# KiCad board EnvChocTKL.kicad_pcb
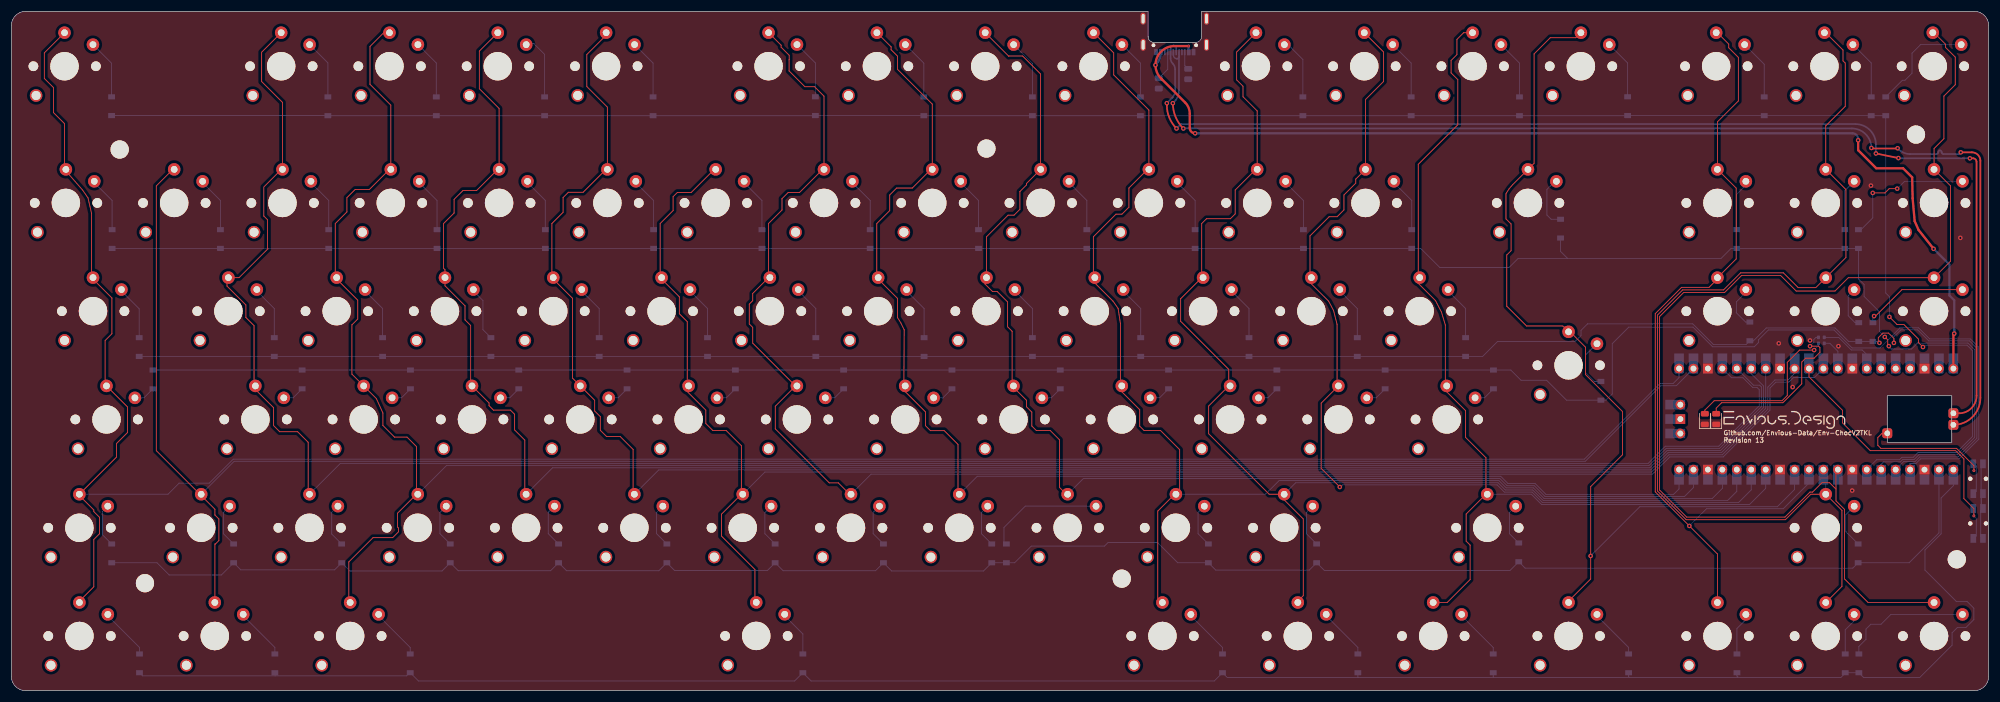
[diagram p0: board, top side]
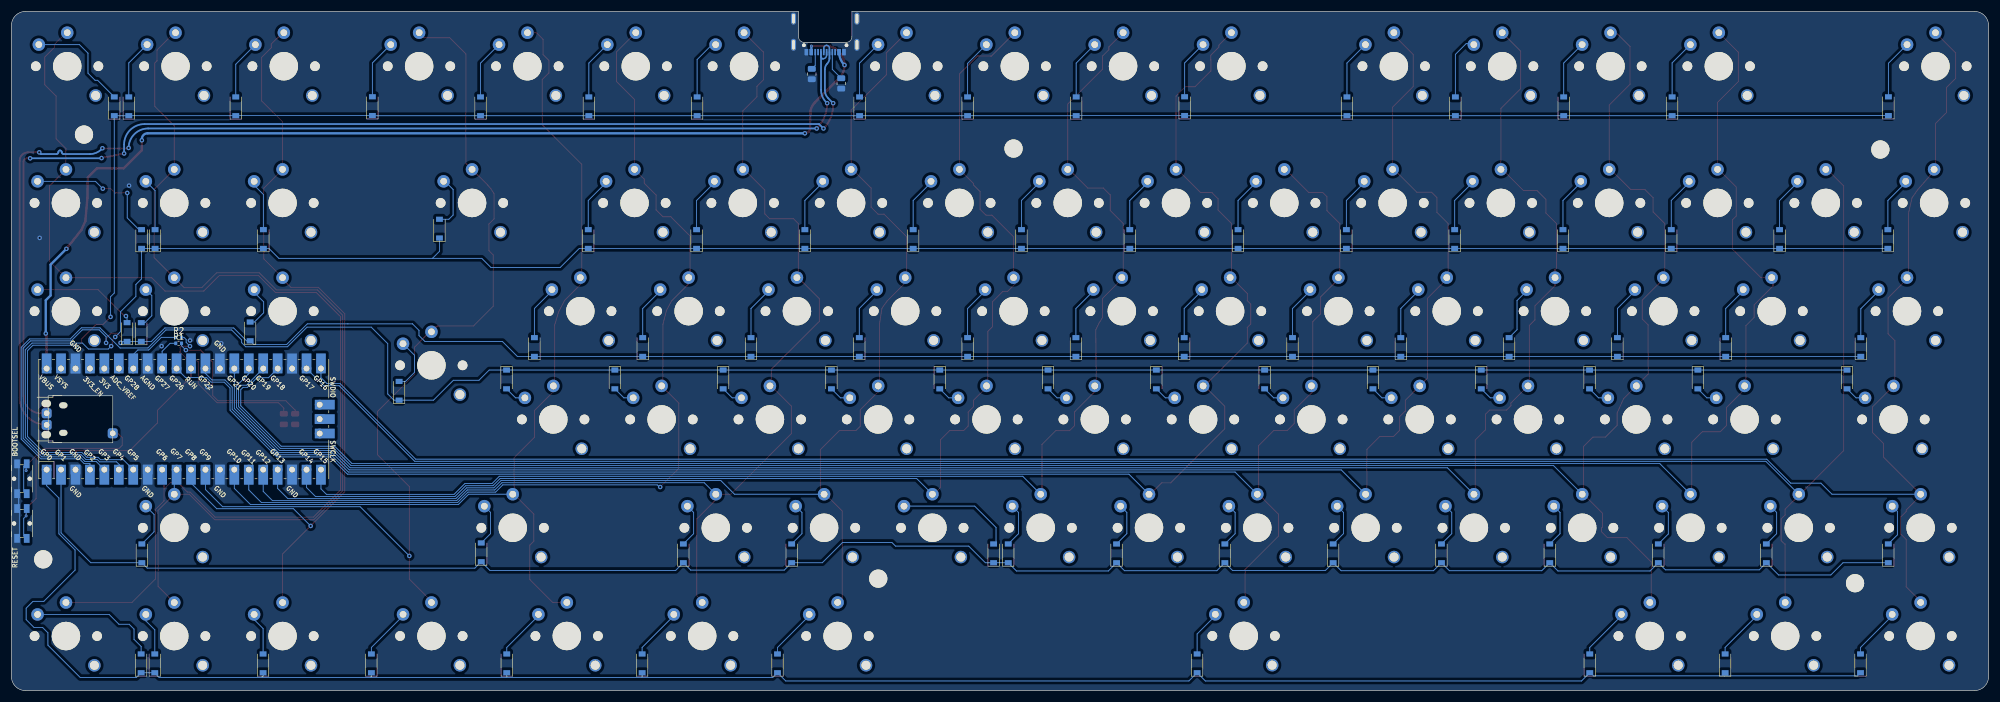
[diagram p1: board, bottom side, seen from below]

Outline 347.8 x 119.5 mm; copper layers: Top, Bottom. Coordinates in mm from the lower left corner of the outline.
Outline path: rectangle 329.96,51.88 341.33,43.6 ; 199.95,119.5 2.5,119.5 arc(0.73,118.77) 0,117 0,2.5 arc(0.73,0.73) 2.5,0 345.3,0 arc(347.07,0.73) 347.8,2.5 347.8,117 arc(347.07,118.77) 345.3,119.5 209.35,119.5
Stack: Top 0.035mm / dielectric 1.51mm FR4 er 4.5 / Bottom 0.035mm

## Placement (name value [footprint] x y rotation side)
D1  0805 LED  [LED_0805_2012Metric]  297.88 47.78 90 top
D2  0805 LED  [LED_0805_2012Metric]  299.88 47.78 90 top
D_0  1N4148W  [D_SOD-123]  17.63 102.82 90 bottom
D_1  1N4148W  [D_SOD-123]  55.67 102.8 90 bottom
D_2  1N4148W  [D_SOD-123]  74.75 102.8 90 bottom
D_3  1N4148W  [D_SOD-123]  93.8 102.8 90 bottom
D_4  1N4148W  [D_SOD-123]  112.87 102.8 90 bottom
D_5  1N4148W  [D_SOD-123]  141.42 102.82 90 bottom
D_6  1N4148W  [D_SOD-123]  160.5 102.8 90 bottom
D_7  1N4148W  [D_SOD-123]  179.6 102.8 90 bottom
D_8  1N4148W  [D_SOD-123]  198.6 102.8 90 bottom
D_9  1N4148W  [D_SOD-123]  227.17 102.8 90 bottom
D_10  1N4148W  [D_SOD-123]  246.22 102.8 90 bottom
D_11  1N4148W  [D_SOD-123]  265.27 102.8 90 bottom
D_12  1N4148W  [D_SOD-123]  284.3 102.82 90 bottom
D_13  1N4148W  [D_SOD-123]  308.33 102.8 90 bottom
D_14  1N4148W  [D_SOD-123]  327.15 102.8 90 bottom
D_15  1N4148W  [D_SOD-123]  329.7 102.8 90 bottom
D_16  1N4148W  [D_SOD-123]  17.72 79.45 90 bottom
D_17  1N4148W  [D_SOD-123]  36.77 79.45 90 bottom
D_18  1N4148W  [D_SOD-123]  55.82 79.45 90 bottom
D_19  1N4148W  [D_SOD-123]  74.87 79.45 90 bottom
D_20  1N4148W  [D_SOD-123]  93.92 79.45 90 bottom
D_21  1N4148W  [D_SOD-123]  112.97 79.45 90 bottom
D_22  1N4148W  [D_SOD-123]  132.02 79.45 90 bottom
D_23  1N4148W  [D_SOD-123]  151.07 79.45 90 bottom
D_24  1N4148W  [D_SOD-123]  170.12 79.45 90 bottom
D_25  1N4148W  [D_SOD-123]  189.17 79.45 90 bottom
D_26  1N4148W  [D_SOD-123]  208.22 79.45 90 bottom
D_27  1N4148W  [D_SOD-123]  227.27 79.45 90 bottom
D_28  1N4148W  [D_SOD-123]  246.32 79.45 90 bottom
D_29  1N4148W  [D_SOD-123]  272.5 81.28 90 bottom
D_30  1N4148W  [D_SOD-123]  303.47 79.45 90 bottom
D_31  1N4148W  [D_SOD-123]  322.52 79.45 90 bottom
D_32  1N4148W  [D_SOD-123]  324.9 79.45 90 bottom
D_33  1N4148W  [D_SOD-123]  22.48 60.45 90 bottom
D_34  1N4148W  [D_SOD-123]  46.25 60.45 90 bottom
D_35  1N4148W  [D_SOD-123]  65.3 60.45 90 bottom
D_36  1N4148W  [D_SOD-123]  84.35 60.45 90 bottom
D_37  1N4148W  [D_SOD-123]  103.4 60.45 90 bottom
D_38  1N4148W  [D_SOD-123]  122.45 60.45 90 bottom
D_39  1N4148W  [D_SOD-123]  141.5 60.45 90 bottom
D_40  1N4148W  [D_SOD-123]  160.55 60.45 90 bottom
D_41  1N4148W  [D_SOD-123]  179.6 60.45 90 bottom
D_42  1N4148W  [D_SOD-123]  198.65 60.45 90 bottom
D_43  1N4148W  [D_SOD-123]  217.7 60.45 90 bottom
D_44  1N4148W  [D_SOD-123]  236.75 60.45 90 bottom
D_45  1N4148W  [D_SOD-123]  255.8 60.45 90 bottom
D_46  1N4148W  [D_SOD-123]  279.6 52.75 90 bottom
D_47  1N4148W  [D_SOD-123]  305.8 63.2 90 bottom
D_48  1N4148W  [D_SOD-123]  324.95 63.09 90 bottom
D_49  1N4148W  [D_SOD-123]  327.45 63.09 90 bottom
D_50  1N4148W  [D_SOD-123]  24.91 54.75 270 bottom
D_51  1N4148W  [D_SOD-123]  51.15 54.75 270 bottom
D_52  1N4148W  [D_SOD-123]  70.2 54.75 270 bottom
D_53  1N4148W  [D_SOD-123]  89.25 54.75 270 bottom
D_54  1N4148W  [D_SOD-123]  108.3 54.75 270 bottom
D_55  1N4148W  [D_SOD-123]  127.35 54.75 270 bottom
D_56  1N4148W  [D_SOD-123]  146.4 54.75 270 bottom
D_57  1N4148W  [D_SOD-123]  165.45 54.75 270 bottom
D_58  1N4148W  [D_SOD-123]  184.5 54.75 270 bottom
D_59  1N4148W  [D_SOD-123]  203.55 54.75 270 bottom
D_60  1N4148W  [D_SOD-123]  222.6 54.75 270 bottom
D_61  1N4148W  [D_SOD-123]  241.65 54.75 270 bottom
D_62  1N4148W  [D_SOD-123]  260.7 54.75 270 bottom
D_63  1N4148W  [D_SOD-123]  17.65 24.15 90 bottom
D_64  1N4148W  [D_SOD-123]  39.1 24.15 90 bottom
D_65  1N4148W  [D_SOD-123]  58.1 24.15 90 bottom
D_66  1N4148W  [D_SOD-123]  77.2 24.15 90 bottom
D_67  1N4148W  [D_SOD-123]  96.25 24.15 90 bottom
D_68  1N4148W  [D_SOD-123]  115.3 24.15 90 bottom
D_69  1N4148W  [D_SOD-123]  134.35 24.15 90 bottom
D_70  1N4148W  [D_SOD-123]  153.4 24.15 90 bottom
D_71  1N4148W  [D_SOD-123]  172.45 24.15 90 bottom
D_72  1N4148W  [D_SOD-123]  175.02 24.15 90 bottom
D_73  1N4148W  [D_SOD-123]  210.55 24.15 90 bottom
D_74  1N4148W  [D_SOD-123]  229.6 24.15 90 bottom
D_75  1N4148W  [D_SOD-123]  265.15 24.32 90 bottom
D_76  1N4148W  [D_SOD-123]  324.85 24.15 90 bottom
D_77  1N4148W  [D_SOD-123]  22.54 4.8 90 bottom
D_78  1N4148W  [D_SOD-123]  46.35 4.8 90 bottom
D_79  1N4148W  [D_SOD-123]  70.16 4.8 90 bottom
D_80  1N4148W  [D_SOD-123]  139.22 4.8 90 bottom
D_81  1N4148W  [D_SOD-123]  213.04 4.8 90 bottom
D_82  1N4148W  [D_SOD-123]  236.85 4.8 90 bottom
D_83  1N4148W  [D_SOD-123]  260.66 4.8 90 bottom
D_84  1N4148W  [D_SOD-123]  284.47 4.8 90 bottom
D_85  1N4148W  [D_SOD-123]  303.52 4.8 90 bottom
D_86  1N4148W  [D_SOD-123]  322.57 4.8 90 bottom
D_87  1N4148W  [D_SOD-123]  324.97 4.8 90 bottom
H1  MountingHole_Pad  [MountingHole_3.2mm_M3]  335.02 97.82 0 top
H2  MountingHole_Pad  [MountingHole_3.2mm_M3]  19.05 95.2 0 top
H3  MountingHole_Pad  [MountingHole_3.2mm_M3]  23.5 18.9 0 top
H4  MountingHole_Pad  [MountingHole_3.2mm_M3]  342.2 23.1 0 top
H5  MountingHole_Pad  [MountingHole_3.2mm_M3]  171.52 95.37 0 top
H6  MountingHole_Pad  [MountingHole_3.2mm_M3]  195.32 19.7 0 top
J1  Type-c-31-m-14  [USB_C_TYPE-C-31-M-14]  204.65 115.2 0 bottom
K_0  KEYSW  [SW_Kailh_Choc_V2]  9.35 109.85 0 top
K_1  KEYSW  [SW_Kailh_Choc_V2]  47.46 109.85 0 top
K_2  KEYSW  [SW_Kailh_Choc_V2]  66.51 109.85 0 top
K_3  KEYSW  [SW_Kailh_Choc_V2]  85.56 109.85 0 top
K_4  KEYSW  [SW_Kailh_Choc_V2]  104.62 109.86 0 top
K_5  KEYSW  [SW_Kailh_Choc_V2]  133.19 109.86 0 top
K_6  KEYSW  [SW_Kailh_Choc_V2]  152.25 109.85 0 top
K_7  KEYSW  [SW_Kailh_Choc_V2]  171.3 109.85 0 top
K_8  KEYSW  [SW_Kailh_Choc_V2]  190.35 109.85 0 top
K_9  KEYSW  [SW_Kailh_Choc_V2]  218.92 109.85 0 top
K_10  KEYSW  [SW_Kailh_Choc_V2]  237.97 109.85 0 top
K_11  KEYSW  [SW_Kailh_Choc_V2]  257.02 109.85 0 top
K_12  KEYSW  [SW_Kailh_Choc_V2]  276.07 109.85 0 top
K_13  KEYSW  [SW_Kailh_Choc_V2]  299.87 109.85 0 top
K_14  KEYSW  [SW_Kailh_Choc_V2]  318.92 109.85 0 top
K_15  KEYSW  [SW_Kailh_Choc_V2]  337.97 109.85 0 top
K_16  KEYSW  [SW_Kailh_Choc_V2]  9.59 85.8 0 top
K_17  KEYSW  [SW_Kailh_Choc_V2]  28.64 85.8 0 top
K_18  KEYSW  [SW_Kailh_Choc_V2]  47.69 85.8 0 top
K_19  KEYSW  [SW_Kailh_Choc_V2]  66.74 85.8 0 top
K_20  KEYSW  [SW_Kailh_Choc_V2]  85.79 85.8 0 top
K_21  KEYSW  [SW_Kailh_Choc_V2]  104.84 85.8 0 top
K_22  KEYSW  [SW_Kailh_Choc_V2]  123.89 85.8 0 top
K_23  KEYSW  [SW_Kailh_Choc_V2]  142.94 85.8 0 top
K_24  KEYSW  [SW_Kailh_Choc_V2]  161.99 85.8 0 top
K_25  KEYSW  [SW_Kailh_Choc_V2]  181.04 85.8 0 top
K_26  KEYSW  [SW_Kailh_Choc_V2]  200.09 85.8 0 top
K_27  KEYSW  [SW_Kailh_Choc_V2]  219.14 85.8 0 top
K_28  KEYSW  [SW_Kailh_Choc_V2]  238.19 85.8 0 top
K_29  KEYSW  [SW_Kailh_Choc_V2]  266.76 85.8 0 top
K_30  KEYSW  [SW_Kailh_Choc_V2]  300.1 85.8 0 top
K_31  KEYSW  [SW_Kailh_Choc_V2]  319.15 85.8 0 top
K_32  KEYSW  [SW_Kailh_Choc_V2]  338.2 85.8 0 top
K_33  KEYSW  [SW_Kailh_Choc_V2]  14.36 66.76 0 top
K_34  KEYSW  [SW_Kailh_Choc_V2]  38.17 66.76 0 top
K_35  KEYSW  [SW_Kailh_Choc_V2]  57.22 66.76 0 top
K_36  KEYSW  [SW_Kailh_Choc_V2]  76.27 66.76 0 top
K_37  KEYSW  [SW_Kailh_Choc_V2]  95.32 66.76 0 top
K_38  KEYSW  [SW_Kailh_Choc_V2]  114.37 66.76 0 top
K_39  KEYSW  [SW_Kailh_Choc_V2]  133.42 66.76 0 top
K_40  KEYSW  [SW_Kailh_Choc_V2]  152.47 66.76 0 top
K_41  KEYSW  [SW_Kailh_Choc_V2]  171.52 66.76 0 top
K_42  KEYSW  [SW_Kailh_Choc_V2]  190.57 66.76 0 top
K_43  KEYSW  [SW_Kailh_Choc_V2]  209.62 66.76 0 top
K_44  KEYSW  [SW_Kailh_Choc_V2]  228.67 66.76 0 top
K_45  KEYSW  [SW_Kailh_Choc_V2]  247.72 66.76 0 top
K_46  KEYSW  [SW_Kailh_Choc_V2]  273.91 57.23 0 top
K_47  KEYSW  [SW_Kailh_Choc_V2]  300.1 66.75 0 top
K_48  KEYSW  [SW_Kailh_Choc_V2]  319.15 66.75 0 top
K_49  KEYSW  [SW_Kailh_Choc_V2]  338.2 66.75 0 top
K_50  KEYSW  [SW_Kailh_Choc_V2]  16.73 47.71 0 top
K_51  KEYSW  [SW_Kailh_Choc_V2]  42.92 47.71 0 top
K_52  KEYSW  [SW_Kailh_Choc_V2]  61.97 47.71 0 top
K_53  KEYSW  [SW_Kailh_Choc_V2]  81.02 47.71 0 top
K_54  KEYSW  [SW_Kailh_Choc_V2]  100.07 47.71 0 top
K_55  KEYSW  [SW_Kailh_Choc_V2]  119.12 47.71 0 top
K_56  KEYSW  [SW_Kailh_Choc_V2]  138.17 47.71 0 top
K_57  KEYSW  [SW_Kailh_Choc_V2]  157.22 47.71 0 top
K_58  KEYSW  [SW_Kailh_Choc_V2]  176.27 47.71 0 top
K_59  KEYSW  [SW_Kailh_Choc_V2]  195.32 47.71 0 top
K_60  KEYSW  [SW_Kailh_Choc_V2]  214.37 47.71 0 top
K_61  KEYSW  [SW_Kailh_Choc_V2]  233.42 47.71 0 top
K_62  KEYSW  [SW_Kailh_Choc_V2]  252.47 47.71 0 top
K_63  KEYSW  [SW_Kailh_Choc_V2]  11.96 28.65 0 top
K_64  KEYSW  [SW_Kailh_Choc_V2]  33.39 28.65 0 top
K_65  KEYSW  [SW_Kailh_Choc_V2]  52.44 28.65 0 top
K_66  KEYSW  [SW_Kailh_Choc_V2]  71.49 28.65 0 top
K_67  KEYSW  [SW_Kailh_Choc_V2]  90.54 28.65 0 top
K_68  KEYSW  [SW_Kailh_Choc_V2]  109.59 28.65 0 top
K_69  KEYSW  [SW_Kailh_Choc_V2]  128.64 28.65 0 top
K_70  KEYSW  [SW_Kailh_Choc_V2]  147.69 28.65 0 top
K_71  KEYSW  [SW_Kailh_Choc_V2]  166.74 28.65 0 top
K_72  KEYSW  [SW_Kailh_Choc_V2]  185.79 28.65 0 top
K_73  KEYSW  [SW_Kailh_Choc_V2]  204.84 28.65 0 top
K_74  KEYSW  [SW_Kailh_Choc_V2]  223.89 28.65 0 top
K_75  KEYSW  [SW_Kailh_Choc_V2]  259.61 28.65 0 top
K_76  KEYSW  [SW_Kailh_Choc_V2]  319.15 28.65 0 top
K_77  KEYSW  [SW_Kailh_Choc_V2]  11.97 9.61 0 top
K_78  KEYSW  [SW_Kailh_Choc_V2]  35.78 9.61 0 top
K_79  KEYSW  [SW_Kailh_Choc_V2]  59.59 9.61 0 top
K_80  KEYSW  [SW_Kailh_Choc_V2]  131.02 9.62 0 top
K_81  KEYSW  [SW_Kailh_Choc_V2]  202.47 9.61 0 top
K_82  KEYSW  [SW_Kailh_Choc_V2]  226.28 9.61 0 top
K_83  KEYSW  [SW_Kailh_Choc_V2]  250.09 9.61 0 top
K_84  KEYSW  [SW_Kailh_Choc_V2]  273.91 9.61 0 top
K_85  KEYSW  [SW_Kailh_Choc_V2]  300.1 9.6 0 top
K_86  KEYSW  [SW_Kailh_Choc_V2]  319.15 9.6 0 top
K_87  KEYSW  [SW_Kailh_Choc_V2]  338.2 9.6 0 top
kibuzzard-62517034  G***  [kibuzzard-62517034]  311.88 47.62 0 top
R1  0402 470r  [R_0402_1005Metric]  318.38 61.1 180 bottom
R2  0402 470r  [R_0402_1005Metric]  318.38 62.15 180 bottom
R5  5.1K 0805  [R_0805_2012Metric]  201.83 106.83 90 bottom
R6  5.1K 0805  [R_0805_2012Metric]  207 108.48 90 bottom
RPI1  Pico  [RPi_Pico_SMD_TH_MODIFIED]  317.47 47.78 90 bottom
SW101  EVQPU  [Panasonic_EVQPUL_EVQPUC]  345.95 29.41 90 bottom
SW102  EVQPU  [Panasonic_EVQPUL_EVQPUC]  345.95 37.28 90 bottom

## Library data of the parts
D1 D2 = -: Description: Light emitting diode, small symbol
D_0-D_87 = -: Description: Diode, small symbol
H1-H6 = -: Description: Mounting Hole with connection
R1 R2 R5 R6 = -: Description: Resistor, small symbol
SW101 SW102 = -: Description: Push button switch, generic, two pins

## Footprints (pads in the part's own frame, mm; a bottom-side part is the same pattern mirrored in y, then rotated)
D_SOD-123
  rect 0.9x1.2 smd: 1(-1.65,0) 2(1.65,0)
LED_0805_2012Metric
  rrect 0.975x1.4 smd: 1(-0.938,0) 2(0.938,0)
MountingHole_3.2mm_M3
  round 3.2 hole 3.2 unplated: (0,0)
Panasonic_EVQPUL_EVQPUC
  round 0.75 hole 0.75 unplated: (0,-1.375) (0,1.375)
  rect 1.55x1 smd: 1(-2.625,0.85) 1(2.625,0.85) 2(-2.625,-0.85) 2(2.625,-0.85)
R_0402_1005Metric
  rrect 0.54x0.64 smd: 1(-0.51,0) 2(0.51,0)
R_0805_2012Metric
  rrect 1.025x1.4 smd: 1(-0.912,0) 2(0.912,0)
RPi_Pico_SMD_TH_MODIFIED
  oval 1.35x1.7 smd: (-2.73,24.19) (2.73,24.19)
  oval 1.1x1.5 smd: (-2.42,21.19) (2.42,21.19)
  oval 1.7x1.7 hole 1.02: 1(-8.89,24.13) 2(-8.89,21.59) 4(-8.89,16.51) 5(-8.89,13.97) 6(-8.89,11.43) 7(-8.89,8.89) 9(-8.89,3.81) 10(-8.89,1.27) 11(-8.89,-1.27) 12(-8.89,-3.81) 14(-8.89,-8.89) 15(-8.89,-11.43) 16(-8.89,-13.97) 17(-8.89,-16.51) 19(-8.89,-21.59) 20(-8.89,-24.13) 21(8.89,-24.13) 22(8.89,-21.59) 24(8.89,-16.51) 25(8.89,-13.97) 26(8.89,-11.43) 27(8.89,-8.89) 29(8.89,-3.81) 30(8.89,-1.27) 31(8.89,1.27) 32(8.89,3.81) 34(8.89,8.89) 35(8.89,11.43) 36(8.89,13.97) 37(8.89,16.51) 39(8.89,21.59) 40(8.89,24.13) 41(-2.54,-23.9) 43(2.54,-23.9)
  rect 3.5x1.7 smd: 1(-8.89,24.13) 2(-8.89,21.59) 3(-8.89,19.05) 4(-8.89,16.51) 5(-8.89,13.97) 6(-8.89,11.43) 7(-8.89,8.89) 8(-8.89,6.35) 9(-8.89,3.81) 10(-8.89,1.27) 11(-8.89,-1.27) 12(-8.89,-3.81) 13(-8.89,-6.35) 14(-8.89,-8.89) 15(-8.89,-11.43) 16(-8.89,-13.97) 17(-8.89,-16.51) 18(-8.89,-19.05) 19(-8.89,-21.59) 20(-8.89,-24.13) 21(8.89,-24.13) 22(8.89,-21.59) 23(8.89,-19.05) 24(8.89,-16.51) 25(8.89,-13.97) 26(8.89,-11.43) 27(8.89,-8.89) 28(8.89,-6.35) 29(8.89,-3.81) 30(8.89,-1.27) 31(8.89,1.27) 32(8.89,3.81) 33(8.89,6.35) 34(8.89,8.89) 35(8.89,11.43) 36(8.89,13.97) 37(8.89,16.51) 38(8.89,19.05) 39(8.89,21.59) 40(8.89,24.13)
  rect 1.7x1.7 hole 1.02: 3(-8.89,19.05) 8(-8.89,6.35) 13(-8.89,-6.35) 18(-8.89,-19.05) 23(8.89,-19.05) 28(8.89,-6.35) 33(8.89,6.35) 38(8.89,19.05) 42(0,-23.9)
  rect 1.7x3.5 smd: 41(-2.54,-23.9) 42(0,-23.9) 43(2.54,-23.9)
  rrect 1.75x1.75 hole 1: TP2(1.016,24.125) TP3(-1.016,24.125) TP6(-2.5,12.5)
SW_Kailh_Choc_V2
  round 1.702 hole 1.702 unplated: (-5.475,0) (5.525,0)
  round 2.2 hole 1.6: (-5,-5.15)
  round 5 hole 5 unplated: (0,0)
  round 2.2 hole 1.2: 1(0,5.9) 2(5,3.8)
USB_C_TYPE-C-31-M-14
  oval 1.2x2.4 smd: (-5.675,-3.02) (-5.675,1.58) (5.675,-3.02) (5.675,1.58)
  round 0.65 hole 0.65 unplated: (-3.75,1.66) (3.75,1.66)
  rect 0.6x1.1 smd: A1(-3.3,2.86) A4(-2.45,2.86) A9(2.45,2.86) A12(3.3,2.86) B1(3.3,2.86) B4(2.45,2.86) B9(-2.45,2.86) B12(-3.3,2.86)
  rect 0.3x1.1 smd: A5(-1.25,2.86) A6(-0.25,2.86) A7(0.25,2.86) A8(1.25,2.86) B5(1.75,2.86) B6(0.75,2.86) B7(-0.75,2.86) B8(-1.75,2.86)
  oval 0.9x2.1 hole 0.5x1.7: S1(-5.575,-3.02) S1(-5.575,1.58) S1(5.575,-3.02) S1(5.575,1.58)

## Nets
GND: D1.1 D2.1 J1.A1 J1.A12 J1.B1 J1.B12 J1.S1 R5.1 R6.1 RPI1.3 RPI1.8 RPI1.13 RPI1.18 RPI1.23 RPI1.28 RPI1.33 RPI1.38 SW101.1 SW102.1
VBUS: J1.A4 J1.A9 J1.B4 J1.B9 RPI1.40
BOOTSEL: RPI1.TP6 SW102.2
col0: K_0.1 K_16.1 K_33.1 K_50.1 K_63.1 K_77.1 RPI1.21
col1: K_17.1 K_64.1 K_78.1 RPI1.22
col2: K_1.1 K_18.1 K_34.1 K_51.1 K_65.1 RPI1.24
col3: K_2.1 K_19.1 K_35.1 K_52.1 K_66.1 K_79.1 RPI1.25
col4: K_3.1 K_20.1 K_36.1 K_53.1 K_67.1 RPI1.26
col5: K_4.1 K_21.1 K_37.1 K_54.1 K_68.1 RPI1.27
col6: K_22.1 K_38.1 K_55.1 K_69.1 K_80.1 RPI1.29
col7: K_5.1 K_23.1 K_39.1 K_56.1 K_70.1 RPI1.31
col8: K_6.1 K_24.1 K_40.1 K_57.1 K_71.1 RPI1.20
col9: K_7.1 K_25.1 K_41.1 K_58.1 K_72.1 RPI1.19
col10: K_8.1 K_26.1 K_42.1 K_59.1 K_73.1 K_81.1 RPI1.17
col11: K_9.1 K_27.1 K_43.1 K_60.1 K_74.1 K_82.1 RPI1.16
col12: K_10.1 K_28.1 K_44.1 K_61.1 RPI1.15
col13: K_11.1 K_45.1 K_62.1 K_75.1 K_83.1 RPI1.14
col14: K_12.1 K_29.1 K_46.1 K_84.1 RPI1.12
col15: K_13.1 K_30.1 K_47.1 K_85.1 RPI1.11
col16: K_14.1 K_31.1 K_48.1 K_76.1 K_86.1 RPI1.10
col17: K_15.1 K_32.1 K_49.1 K_87.1 RPI1.9
row0: D_0.1 D_1.1 D_2.1 D_3.1 D_4.1 D_5.1 D_6.1 D_7.1 D_8.1 D_9.1 D_10.1 D_11.1 D_12.1 D_13.1 D_14.1 D_15.1 RPI1.7
row1: D_16.1 D_17.1 D_18.1 D_19.1 D_20.1 D_21.1 D_22.1 D_23.1 D_24.1 D_25.1 D_26.1 D_27.1 D_28.1 D_29.1 D_30.1 D_31.1 D_32.1 RPI1.6
row2: D_33.1 D_34.1 D_35.1 D_36.1 D_37.1 D_38.1 D_39.1 D_40.1 D_41.1 D_42.1 D_43.1 D_44.1 D_45.1 D_47.1 D_48.1 D_49.1 RPI1.5
row3: D_46.1 D_50.1 D_51.1 D_52.1 D_53.1 D_54.1 D_55.1 D_56.1 D_57.1 D_58.1 D_59.1 D_60.1 D_61.1 D_62.1 RPI1.4
row4: D_63.1 D_64.1 D_65.1 D_66.1 D_67.1 D_68.1 D_69.1 D_70.1 D_71.1 D_72.1 D_73.1 D_74.1 D_75.1 D_76.1 RPI1.2
row5: D_77.1 D_78.1 D_79.1 D_80.1 D_81.1 D_82.1 D_83.1 D_84.1 D_85.1 D_86.1 D_87.1 RPI1.1
RUN: RPI1.30 SW101.2
USB_D+: J1.A6 J1.B6 RPI1.TP3
USB_D-: J1.A7 J1.B7 RPI1.TP2
Net-(D1-A): D1.2 R1.2
Net-(D2-A): D2.2 R2.2
Net-(D_0-A): D_0.2 K_0.2
Net-(D_1-A): D_1.2 K_1.2
Net-(D_2-A): D_2.2 K_2.2
Net-(D_3-A): D_3.2 K_3.2
Net-(D_4-A): D_4.2 K_4.2
Net-(D_5-A): D_5.2 K_5.2
Net-(D_6-A): D_6.2 K_6.2
Net-(D_7-A): D_7.2 K_7.2
Net-(D_8-A): D_8.2 K_8.2
Net-(D_9-A): D_9.2 K_9.2
Net-(D_10-A): D_10.2 K_10.2
Net-(D_11-A): D_11.2 K_11.2
Net-(D_12-A): D_12.2 K_12.2
Net-(D_13-A): D_13.2 K_13.2
Net-(D_14-A): D_14.2 K_14.2
Net-(D_15-A): D_15.2 K_15.2
Net-(D_16-A): D_16.2 K_16.2
Net-(D_17-A): D_17.2 K_17.2
Net-(D_18-A): D_18.2 K_18.2
Net-(D_19-A): D_19.2 K_19.2
Net-(D_20-A): D_20.2 K_20.2
Net-(D_21-A): D_21.2 K_21.2
Net-(D_22-A): D_22.2 K_22.2
Net-(D_23-A): D_23.2 K_23.2
Net-(D_24-A): D_24.2 K_24.2
Net-(D_25-A): D_25.2 K_25.2
Net-(D_26-A): D_26.2 K_26.2
Net-(D_27-A): D_27.2 K_27.2
Net-(D_28-A): D_28.2 K_28.2
Net-(D_29-A): D_29.2 K_29.2
Net-(D_30-A): D_30.2 K_30.2
Net-(D_31-A): D_31.2 K_31.2
Net-(D_32-A): D_32.2 K_32.2
Net-(D_33-A): D_33.2 K_33.2
Net-(D_34-A): D_34.2 K_34.2
Net-(D_35-A): D_35.2 K_35.2
Net-(D_36-A): D_36.2 K_36.2
Net-(D_37-A): D_37.2 K_37.2
Net-(D_38-A): D_38.2 K_38.2
Net-(D_39-A): D_39.2 K_39.2
Net-(D_40-A): D_40.2 K_40.2
Net-(D_41-A): D_41.2 K_41.2
Net-(D_42-A): D_42.2 K_42.2
Net-(D_43-A): D_43.2 K_43.2
Net-(D_44-A): D_44.2 K_44.2
Net-(D_45-A): D_45.2 K_45.2
Net-(D_46-A): D_46.2 K_46.2
Net-(D_47-A): D_47.2 K_47.2
Net-(D_48-A): D_48.2 K_48.2
Net-(D_49-A): D_49.2 K_49.2
Net-(D_50-A): D_50.2 K_50.2
Net-(D_51-A): D_51.2 K_51.2
Net-(D_52-A): D_52.2 K_52.2
Net-(D_53-A): D_53.2 K_53.2
Net-(D_54-A): D_54.2 K_54.2
Net-(D_55-A): D_55.2 K_55.2
Net-(D_56-A): D_56.2 K_56.2
Net-(D_57-A): D_57.2 K_57.2
Net-(D_58-A): D_58.2 K_58.2
Net-(D_59-A): D_59.2 K_59.2
Net-(D_60-A): D_60.2 K_60.2
Net-(D_61-A): D_61.2 K_61.2
Net-(D_62-A): D_62.2 K_62.2
Net-(D_63-A): D_63.2 K_63.2
Net-(D_64-A): D_64.2 K_64.2
Net-(D_65-A): D_65.2 K_65.2
Net-(D_66-A): D_66.2 K_66.2
Net-(D_67-A): D_67.2 K_67.2
Net-(D_68-A): D_68.2 K_68.2
Net-(D_69-A): D_69.2 K_69.2
Net-(D_70-A): D_70.2 K_70.2